# KiCad board pcb.kicad_pcb (continued)
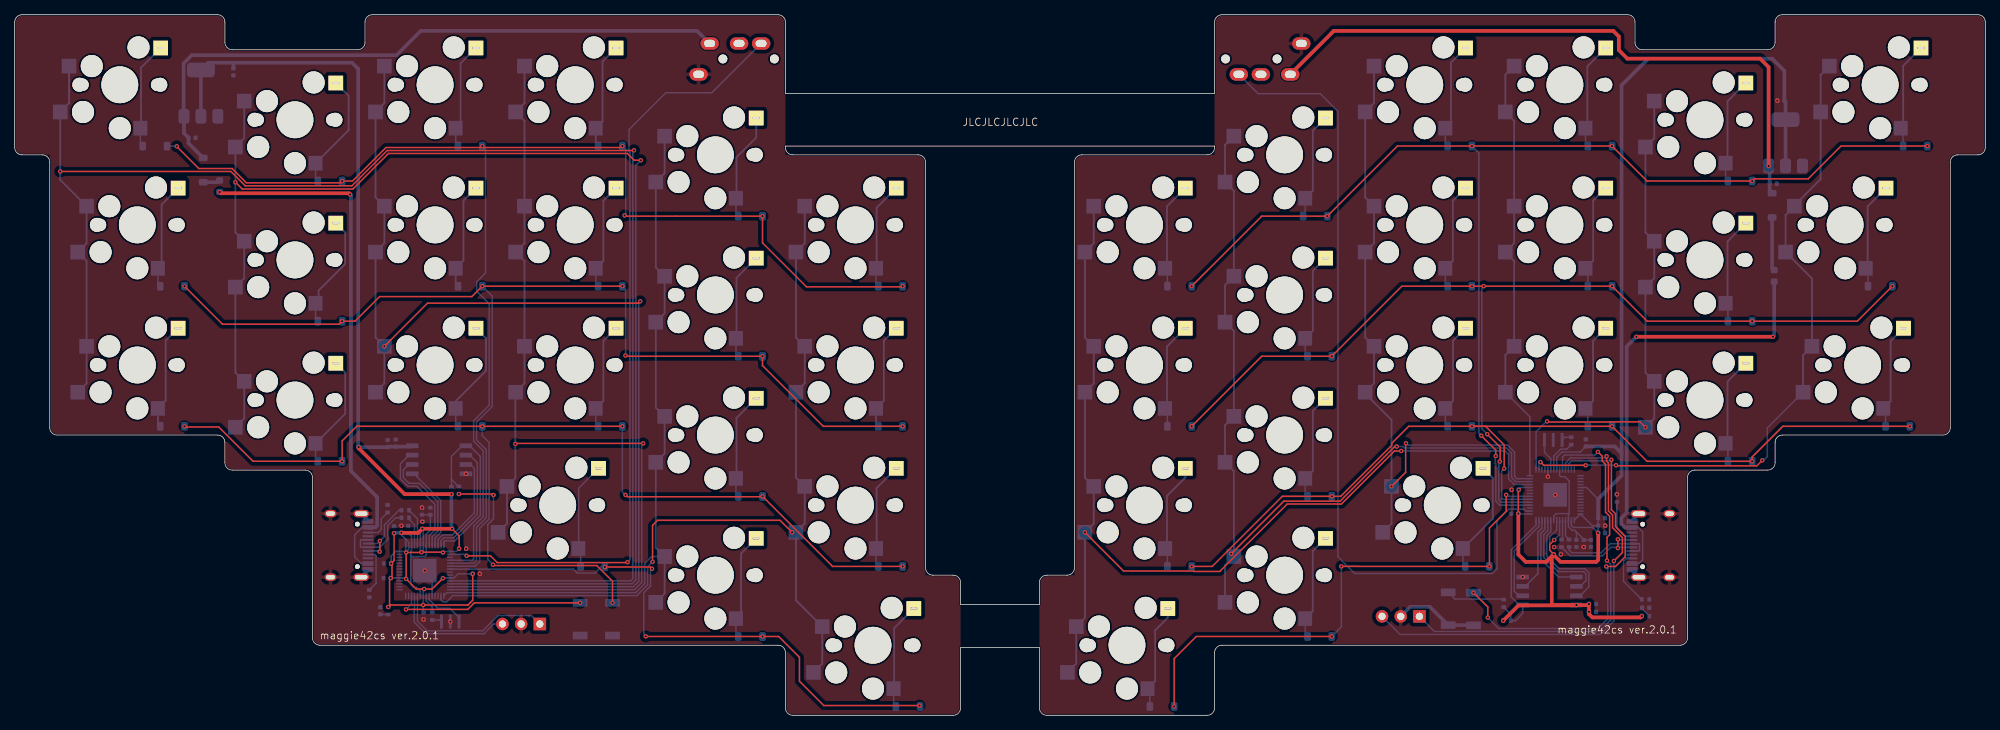
[diagram p0: board, top side]
## Nets
+1V1: C4.1 C5.1 C13.1 U3.23 U3.45 U3.50
+3V3: C2.1 C3.2 C6.1 C7.1 C8.1 C9.1 C10.1 C11.1 C12.1 C14.1 C15.2 R1.2 R4.2 U1.2 U2.8 U3.1 U3.10 U3.22 U3.33 U3.42 U3.43 U3.44 U3.48 U3.49
+5V: C1.1 J1.D SD1.1 U1.3
GND: C1.2 C2.2 C3.1 C4.2 C5.2 C6.2 C7.2 C8.2 C9.2 C10.2 C11.2 C12.2 C13.2 C14.2 C15.1 J1.A J2.A1 J2.A12 J2.B1 J2.B12 J2.S1 J3.2 R2.2 R3.2 SMDSW1.1 SMDSW2.1 STLED1.1 U1.1 U2.4 U3.19 U3.57 Y1.2
VBUS: F1.1 J2.A4 J2.A9 J2.B4 J2.B9
VBUSR: F2.1 J5.A4 J5.A9 J5.B4 J5.B9
COL0: SW1.1 SW7.1 SW13.1 U3.11
COL1: SW2.1 SW8.1 SW14.1 U3.12
COL2: SW3.1 SW9.1 SW15.1 U3.13
COL3: SW4.1 SW10.1 SW16.1 SW19.1 U3.14
COL4: SW5.1 SW11.1 SW17.1 SW20.1 U3.15
COL5: SW6.1 SW12.1 SW18.1 SW21.1 U3.16
CONN: J1.B U3.2
D+: J2.A7 J2.B7 R6.1
D-: J2.A6 J2.B6 R7.1
QSPI_SCLK: U2.6 U3.52
QSPI_SD0: U2.5 U3.53
QSPI_SD1: U2.2 U3.55
QSPI_SD2: U2.3 U3.54
QSPI_SD3: U2.7 U3.51
QSPI_SS: R4.1 R5.1 U2.1 U3.56
r+1V1: C20.1 C21.1 C29.1 U6.23 U6.45 U6.50
r+3V3: C17.1 C18.2 C19.2 C22.1 C23.1 C24.1 C25.1 C26.1 C27.1 C28.1 C30.1 R9.2 R10.2 U4.2 U5.8 U6.1 U6.10 U6.22 U6.33 U6.42 U6.43 U6.44 U6.48 U6.49
r+5V: C16.1 J4.D SD2.1 U4.3
rCOL0: SW22.1 SW28.1 SW34.1 SW40.1 U6.11
rCOL1: SW23.1 SW29.1 SW35.1 SW41.1 U6.12
rCOL2: SW24.1 SW30.1 SW36.1 SW42.1 U6.13
rCOL3: SW25.1 SW31.1 SW37.1 U6.14
rCOL4: SW26.1 SW32.1 SW38.1 U6.15
rCOL5: SW27.1 SW33.1 SW39.1 U6.16
rCONN: J4.B U6.2
rD+: J5.A7 J5.B7 R14.1
rD-: J5.A6 J5.B6 R15.1
rGND: C16.2 C17.2 C18.1 C19.1 C20.2 C21.2 C22.2 C23.2 C24.2 C25.2 C26.2 C27.2 C28.2 C29.2 C30.2 J4.A J5.A1 J5.A12 J5.B1 J5.B12 J5.S1 J6.2 R11.2 R12.2 SMDSW3.1 SMDSW4.1 STLED2.1 U4.1 U5.4 U6.19 U6.57 Y2.2
ROW0: D1.1 D2.1 D3.1 D4.1 D5.1 D6.1 U3.4
ROW1: D7.1 D8.1 D9.1 D10.1 D11.1 D12.1 U3.5
ROW2: D13.1 D14.1 D15.1 D16.1 D17.1 D18.1 U3.6
ROW3: D19.1 D20.1 D21.1 U3.7
rQSPI_SCLK: U5.6 U6.52
rQSPI_SD0: U5.5 U6.53
rQSPI_SD1: U5.2 U6.55
rQSPI_SD2: U5.3 U6.54
rQSPI_SD3: U5.7 U6.51
rQSPI_SS: R10.1 R13.1 U5.1 U6.56
rROW0: D22.1 D23.1 D24.1 D25.1 D26.1 D27.1 U6.4
rROW1: D28.1 D29.1 D30.1 D31.1 D32.1 D33.1 U6.5
rROW2: D34.1 D35.1 D36.1 D37.1 D38.1 D39.1 U6.6
rROW3: D40.1 D41.1 D42.1 U6.7
Net-(D1-A): D1.2 SW1.2
Net-(D2-A): D2.2 SW2.2
Net-(D3-A): D3.2 SW3.2
Net-(D4-A): D4.2 SW4.2
Net-(D5-A): D5.2 SW5.2
Net-(D6-A): D6.2 SW6.2
Net-(D7-A): D7.2 SW7.2
Net-(D8-A): D8.2 SW8.2
Net-(D9-A): D9.2 SW9.2
Net-(D10-A): D10.2 SW10.2
Net-(D11-A): D11.2 SW11.2
Net-(D12-A): D12.2 SW12.2
Net-(D13-A): D13.2 SW13.2
Net-(D14-A): D14.2 SW14.2
Net-(D15-A): D15.2 SW15.2
Net-(D16-A): D16.2 SW16.2
Net-(D17-A): D17.2 SW17.2
Net-(D18-A): D18.2 SW18.2
Net-(D19-A): D19.2 SW19.2
Net-(D20-A): D20.2 SW20.2
Net-(D21-A): D21.2 SW21.2
Net-(D22-A): D22.2 SW22.2
Net-(D23-A): D23.2 SW23.2
Net-(D24-A): D24.2 SW24.2
Net-(D25-A): D25.2 SW25.2
Net-(D26-A): D26.2 SW26.2
Net-(D27-A): D27.2 SW27.2
Net-(D28-A): D28.2 SW28.2
Net-(D29-A): D29.2 SW29.2
Net-(D30-A): D30.2 SW30.2
Net-(D31-A): D31.2 SW31.2
Net-(D32-A): D32.2 SW32.2
Net-(D33-A): D33.2 SW33.2
Net-(D34-A): D34.2 SW34.2
Net-(D35-A): D35.2 SW35.2
Net-(D36-A): D36.2 SW36.2
Net-(D37-A): D37.2 SW37.2
Net-(D38-A): D38.2 SW38.2
Net-(D39-A): D39.2 SW39.2
Net-(D40-A): D40.2 SW40.2
Net-(D41-A): D41.2 SW41.2
Net-(D42-A): D42.2 SW42.2
Net-(J2-CC1): J2.A5 R2.1
Net-(J2-CC2): J2.B5 R3.1
Net-(J3-Pin_1): J3.1 U3.24
Net-(J3-Pin_3): J3.3 U3.25
Net-(J5-CC1): J5.A5 R11.1
Net-(J5-CC2): J5.B5 R12.1
Net-(J6-Pin_1): J6.1 U6.24
Net-(J6-Pin_3): J6.3 U6.25
Net-(R5-Pad2): R5.2 SMDSW1.2
Net-(R8-Pad1): R8.1 Y1.3
Net-(R13-Pad2): R13.2 SMDSW3.2
Net-(R16-Pad1): R16.1 Y2.3
Net-(SD1-A): F1.2 SD1.2
Net-(SD2-A): F2.2 SD2.2
Net-(STLED1-A): R1.1 STLED1.2
Net-(STLED2-A): R9.1 STLED2.2
Net-(U3-RUN): SMDSW2.2 U3.26
Net-(U3-USB_DM): R7.2 U3.46
Net-(U3-USB_DP): R6.2 U3.47
Net-(U3-XIN): U3.20 Y1.1
Net-(U3-XOUT): R8.2 U3.21
Net-(U6-RUN): SMDSW4.2 U6.26
Net-(U6-USB_DM): R15.2 U6.46
Net-(U6-USB_DP): R14.2 U6.47
Net-(U6-XIN): U6.20 Y2.1
Net-(U6-XOUT): R16.2 U6.21

Pads without a net: J1 C; J2 A8 B8; J4 C; J5 A8 B8; U3 3 8 9 17 18 27 28 29 30 31 32 34 35 36 37 38 39 40 41; U6 3 8 9 17 18 27 28 29 30 31 32 34 35 36 37 38 39 40 41

## Via types
v1: diameter 0.6, hole 0.3, Top to Bottom, 149 vias

## Routing (per net, layer and track width the routed paths; a pad name or vN(x,y) marks a point on that pad's centre or on a via; arc(x,y) is an arc through that point)
+1V1: length 18.6
  Bottom w0.2: C13.1 53.95,24.34 U3.45 53.95,22.39 53.85,22.29 53.85,17.78 54.23,17.4 54.6,17.4 55.15,16.85 U3.23 ; 53.85,21.74 54.01,21.58 55.75,21.58 55.95,21.77 U3.50 55.95,24.6 56.51,25.15 C5.1 55.39,27.26 C4.1
+3V3: length 187.2
  Top w0.2: v1(60.41,22.64) 60.41,24.41 v1(59.46,25.36) ; v1(58.21,22.14) 58.17,22.18 v1(55.3,22.18) 55.27,22.14 v1(53.21,22.14) v1(53.21,18.54) 54.58,17.17 v1(55.66,17.17) 56.74,17.17 v1(58.21,18.64) ; v1(62.26,19.24) 62.26,15.64 61.62,15 v1(55.54,15) 51.06,15 v1(50.79,14.72) 50.96,14.9 50.96,18.5 v1(51.12,18.66) 51.29,18.83 51.29,20.52 v1(51.17,20.64) 51.57,21.04 v1(51.57,24.75)
  Top w0.5: v1(46.76,36.46) 46.76,36.31 53.01,30.06 v1(59.37,30.06) ; v1(52.57,24.81) 54.86,24.81 v1(55.41,25.36) v1(59.46,25.36)
  Bottom w0.2: v1(58.21,22.14) 58.35,22.28 U3.1 60.05,22.28 v1(60.41,22.64) ; U3.44 53.55,22.56 53.21,22.22 v1(53.21,22.14) ; 62.26,19.23 60.28,19.23 59.72,18.68 U3.10 58.25,18.68 v1(58.21,18.64) ; v1(51.17,20.64) 51.17,21.67 51.78,22.28 U3.42 53.07,22.28 v1(53.21,22.14) ; v1(52.57,24.81) 52.57,24.53 53.05,24.04 ; 51.63,24.81 v1(51.57,24.75) ; 53.05,24.04 53.55,23.54 53.55,23.34 ; 53.05,24.04 53.15,23.94 U3.43 53.15,22.2 v1(53.21,22.14) ; v1(55.66,17.17) 55.55,17.06 U3.22 55.55,15.01 v1(55.54,15) 55.54,14.04 C9.1 ; v1(53.21,18.54) 53.07,18.68 U3.33 51.14,18.68 ; 55.55,22.42 U3.49 55.55,25.22 v1(55.41,25.36) 55.15,25.09 U3.48 55.15,22.33 v1(55.3,22.18) 55.55,22.42
  Bottom w0.5: v1(59.46,25.36) 59.37,25.45 v1(59.37,30.06) ; 29.7,88.71 45.87,88.71 46.69,87.89 46.69,36.53 v1(46.76,36.46) 46.77,36.45 C3.2 50.77,36.53 C15.2 53.92,36.53 U2.8 ; 29.7,88.71 29.73,88.68 C2.1 ; 29.7,88.71 26.29,88.71 U1.2 U1.2 ; v1(52.57,24.81) 51.63,24.81
+5V: length 88
  Bottom w0.5: J1.D 92.78,93.04 55.19,93.04 51.9,89.75 24.07,89.75 22.96,88.64 22.96,81.49 U1.3 23.01,79.14 C1.1 23.62,77.78 SD1.1
GND: length 6.7
  Bottom w0.2: U3.19 56.75,18.68 v1(55.75,19.68)
  Bottom w0.5: J2.A1 48.03,19.7 J2.S1 ; J2.A12 48.03,26.51 J2.S1
  vias: v1(52.57,25.77) v1(55.38,28.23) v1(55.41,26.32) v1(55.59,13.03) v1(59.21,12.74) v1(61.34,32.83) v1(61.37,22.64) v1(63.22,19.24)
VBUS: length 73.1
  Top w0.5: v1(27.86,71.14) 28.02,70.98 45.43,70.98 v1(45.6,70.81)
  Bottom w0.2: J2.A4 47.1,20.65 46.21,21.54 46.21,24.51 47.25,25.55 J2.A9
  Bottom w0.5: J2.A9 49.03,25.55 49.26,25.79 49.26,29.66 45.71,33.21 45.71,70.7 v1(45.6,70.81)
VBUSR: length 61.2
  Top w0.5: v1(239.02,51.46) v1(220.46,51.46)
  Bottom w0.2: J5.A9 220.79,20.64 221.31,21.16 221.31,24.94 220.71,25.54 J5.A4
  Bottom w0.5: J5.A4 218.91,25.54 218.41,26.04 218.41,26.81 219.14,27.54 219.14,50.14 v1(220.46,51.46) ; v1(239.02,51.46) 239.19,51.63 F2.1
COL0: length 211.9
  Top w0.2: v1(84.19,76.82) 84.16,76.79 50.64,76.79 45.84,71.99 31.34,71.99 29.39,73.94 v1(6.19,73.94)
  Bottom w0.2: U3.11 83.75,18.28 84.04,18.56 84.04,76.66 v1(84.19,76.82)
  Bottom w0.25: SW13.1 9.77,45.12 SW13.1 9.77,61.77 SW7.1 9.77,64.17 SW7.1 6.19,72.8 v1(6.19,73.94) SW1.1 7.39,83.22 7.39,88.26
COL1: length 187.5
  Top w0.2: v1(85.11,75.46) 84.21,75.46 83.29,76.39 50.8,76.39 45.96,71.55 30.93,71.55 v1(30,72.48)
  Bottom w0.2: U3.12 83.92,17.88 84.44,18.4 84.44,74.79 v1(85.11,75.46)
  Bottom w0.25: SW14.1 31.2,40.36 31.2,45.4 30,46.6 SW8.1 31.2,59.41 SW8.1 30,65.65 30,72.48 v1(30,72.48) 30,72.48 SW2.1 31.2,78.46 SW2.1
COL2: length 148.3
  Top w0.2: v1(50.25,50.16) 56.12,56.04 84.79,56.04 v1(85.04,56.29)
  Bottom w0.2: v1(85.04,56.29) 84.84,56.09 84.84,18.23 84.08,17.48 U3.13
  Bottom w0.25: SW3.1 50.25,83.22 SW3.1 49.05,70.41 SW9.1 50.25,64.17 SW9.1 49.05,51.36 v1(50.25,50.16) 50.25,45.12 SW15.1
COL3: length 129.8
  Top w0.2: v1(68.06,36.9) 68.13,36.96 v1(85.44,36.96)
  Bottom w0.2: U3.14 84.25,17.08 85.24,18.07 85.24,36.76 v1(85.44,36.96) ; 68.17,43.92 SW16.1
  Bottom w0.25: SW4.1 69.3,83.22 SW4.1 69.3,80.82 SW10.1 69.3,64.17 SW10.1 69.3,61.77 SW16.1 69.3,45.12 SW16.1 68.06,43.89 68.06,32.26 SW19.1 66.92,26.07 SW19.1
COL4: length 100.7
  Bottom w0.2: SW20.1 86.59,21.59 85.64,20.64 85.64,17.9 84.41,16.68 58.79,16.68 U3.15
  Bottom w0.25: SW5.1 88.35,73.7 SW5.1 87.15,60.89 SW11.1 88.35,54.65 SW11.1 87.15,41.84 SW17.1 88.35,35.6 SW17.1 87.15,22.79 SW20.1 88.35,16.55 SW20.1
COL5: length 126.4
  Top w0.2: v1(105.68,24.88) 104.05,26.51 87.39,26.51 86.71,25.83 v1(86.71,20.86)
  Bottom w0.2: v1(105.68,24.88) SW18.1 ; v1(86.71,20.86) 86.04,20.19 86.04,17.73 84.58,16.28 59.56,16.28 58.71,15.43 58.23,15.43 57.95,15.7 U3.16
  Bottom w0.25: SW6.1 107.4,64.17 SW6.1 106.2,51.36 SW12.1 107.4,45.12 SW12.1 106.2,32.31 SW18.1 107.4,26.07 SW18.1 106.2,15.65 SW21.1 109.78,7.02 SW21.1
CONN: length 106.4
  Top w0.2: v1(61.44,21.68) 64.68,21.68 65.6,20.76 83.26,20.76 v1(83.31,20.82)
  Bottom w0.2: U3.2 61.24,21.88 v1(61.44,21.68) ; v1(83.31,20.82) 83.64,21.14 83.64,76.52 83.51,76.65 83.51,79.63 88.52,84.64 94.78,84.64 J1.B
D+: length 10.5
  Top w0.2: v1(49.64,23.71) 49.64,22.28 v1(49.61,22.25)
  Bottom w0.2: R6.1 52.23,27.88 50.26,25.9 50.26,24.33 v1(49.64,23.71) 49.28,23.35 J2.A7 ; J2.B7 49.51,22.35 v1(49.61,22.25)
D-: length 10.3
  Bottom w0.2: J2.B6 47.05,23.85 47,23.8 47,22.9 47.05,22.85 J2.A6 49.63,22.85 50.71,23.93 50.71,25.79 51.78,26.86 R7.1
QSPI_SCLK: length 14.8
  Bottom w0.2: U2.6 53.57,34.1 52.83,33.37 52.83,32.32 53.61,31.54 55.01,31.54 57.52,29.03 57.52,25.03 56.75,24.26 U3.52
QSPI_SD0: length 11.8
  Bottom w0.2: U3.53 57.15,24.1 57.92,24.87 57.92,29.2 54.28,32.83 U2.5
QSPI_SD1: length 16
  Bottom w0.2: U2.2 61.84,35.37 62.89,34.33 62.89,27.35 59.66,24.12 58.33,24.12 57.95,23.74 U3.55
QSPI_SD2: length 14.7
  Bottom w0.2: U2.3 61.96,34.1 62.49,33.58 62.49,27.51 59.49,24.52 58.16,24.52 57.55,23.91 U3.54
QSPI_SD3: length 16.2
  Bottom w0.2: U2.7 53.6,35.37 52.43,34.2 52.43,32.15 53.45,31.14 54.66,31.14 57.12,28.68 57.12,25.2 56.35,24.43 U3.51
QSPI_SS: length 26.1
  Bottom w0.2: R5.1 60.33,31.11 59.37,32.06 ; 59.37,32.06 R4.1 ; 59.37,32.06 59.37,35.2 60.81,36.64 U2.1 ; U2.1 61.84,36.64 63.29,35.2 63.29,27.18 59.82,23.72 58.49,23.72 58.35,23.57 U3.56 ; U2.1 61.86,36.64
r+1V1: length 16.5
  Bottom w0.2: 212.29,24.94 212.3,24.92 C29.1 ; U6.50 209.22,27.07 209.58,27.42 211.33,27.42 211.33,31.86 210.74,32.45 210.17,32.45 210.02,32.6 U6.23 ; C20.1 C21.1 213.3,23.92 212.08,25.14 211.72,25.14 211.22,25.64 U6.45 211.22,27.42 211.33,27.53
r+3V3: length 193.5
  Top w0.2: v1(209.23,21.88) 208.68,22.43 208.68,23.23 v1(209.28,23.83) ; v1(204.41,27.42) 204.41,30.61 v1(204.46,30.66)
  Top w0.5: v1(209.23,21.88) 208.21,20.86 205.41,20.86 204.41,21.86 v1(204.41,27.42) ; v1(209.23,21.88) 208.96,21.61 208.96,14.99 v1(212.3,14.99) ; v1(209.23,21.88) 209.23,21.78 210.15,20.86 215,20.86 215.27,21.14 215.27,24.77 v1(215.25,24.79) ; v1(221.2,13.49) 221.02,13.31 214.47,13.31 214.01,13.76 v1(214.01,14.07) v1(214.01,15.13) 213.87,14.99 v1(212.3,14.99) ; v1(212.3,14.99) 212.26,14.95 204.44,14.95 v1(202.36,12.87)
  Bottom w0.2: U6.49 209.62,25.19 208.67,24.24 208.67,22.44 v1(209.23,21.88) ; C22.1 214.45,25.78 U6.42 U6.43 ; C22.1 215.25,25.77 v1(215.25,24.79) 214.51,25.54 211.89,25.54 211.62,25.8 U6.44 ; C22.1 215.26,26.81 C24.1 ; U6.1 204.47,27.37 v1(204.41,27.42) ; v1(209.28,23.83) 210.02,24.57 U6.48 ; U6.10 204.78,30.97 v1(204.46,30.66) ; 215.25,29.4 213.68,30.97 U6.33 ; U6.22 209.62,35.08 210.33,35.79 212.81,35.79 C25.1
  Bottom w0.5: C25.1 217.5,36.56 218.44,35.62 ; 218.44,35.62 218.44,85.66 222.05,89.27 238.92,89.27 240.58,87.61 C17.1 240.74,83.41 U4.2 U4.2 ; 218.44,35.62 218.44,32.59 215.25,29.4 C24.1
r+5V: length 88.6
  Top w0.5: J4.D 179.31,93.04 217.33,93.04 218.07,92.3 218.07,90.44 219.24,89.27 237.28,89.27 238.44,88.12 v1(238.44,74.69)
  Bottom w0.5: 238.91,74.21 v1(238.44,74.69) 238.58,74.54 C16.1 238.58,71.32 SD2.1
rCOL0: length 140.2
  Top w0.2: v1(188.49,35.94) 187.57,35.94 180.35,28.72 172.98,28.72 163.82,19.56 160.29,19.56 160.23,19.62 150.75,19.62 v1(145.49,24.88)
  Bottom w0.2: U6.11 203.88,31.37 203.08,32.17 203.08,35.47 202.62,35.94 v1(188.49,35.94)
  Bottom w0.25: SW22.1 146.69,64.17 SW22.1 145.49,51.36 SW28.1 146.69,45.12 SW28.1 145.49,32.31 SW34.1 146.69,26.07 v1(145.49,24.88) 145.49,13.25 SW40.1 144.31,7.02 SW40.1
rCOL1: length 117.4
  Top w0.2: v1(187.87,36.54) 187.6,36.54 180.18,29.12 172.53,29.12 v1(165.37,21.96)
  Bottom w0.2: v1(187.87,36.54) 188.74,36.54 188.94,36.34 202.78,36.34 203.5,35.62 203.5,32.32 204.04,31.77 U6.12
  Bottom w0.25: SW41.1 164.54,20.39 SW41.1 165.74,33.2 SW35.1 164.54,39.44 SW35.1 165.74,52.25 SW29.1 164.54,58.49 SW29.1 165.74,71.3 SW23.1 164.54,77.54 SW23.1
rCOL2: length 95.1
  Top w0.2: v1(189.14,36.99) 189.09,36.94 189.09,33.04 v1(187.17,31.11)
  Bottom w0.2: v1(189.14,36.99) 189.39,36.74 202.95,36.74 203.9,35.79 203.9,32.48 204.21,32.17 U6.13
  Bottom w0.25: 183.59,43.74 187.17,40.16 v1(187.17,31.11) 187.17,26.07 SW42.1 ; SW24.1 184.79,83.22 SW24.1 183.59,70.41 SW30.1 184.79,64.17 SW30.1 183.59,51.36 SW36.1 184.79,45.12 SW36.1
rCOL3: length 59.6
  Bottom w0.2: U6.14 205.99,40.58 SW37.1
  Bottom w0.25: SW25.1 202.64,87.06 SW25.1 203.84,80.82 SW31.1 203.84,64.17 SW31.1 203.84,61.77 SW37.1 202.64,48.96 SW37.1
rCOL4: length 67.8
  Top w0.2: v1(221.69,39.16) 220.96,39.89 216.9,39.89 216.89,39.88 208.41,39.88 v1(208.32,39.96)
  Bottom w0.2: v1(208.32,39.96) 208.22,39.96 206.82,38.56 U6.15
  Bottom w0.25: v1(221.69,39.16) 222.89,40.36 222.89,45.4 221.69,46.6 SW32.1 222.89,59.41 SW32.1 221.69,65.65 SW26.1 222.89,78.46 SW26.1
rCOL5: length 92.3
  Top w0.2: v1(207.42,34.43) 207.86,33.99 v1(213.56,33.99) ; v1(217.69,34) 217.77,33.92 236.83,33.92 v1(237.57,34.66)
  Bottom w0.2: v1(207.42,34.43) 207.22,34.23 U6.16 ; v1(217.69,34) 217.67,34.02 213.59,34.02 v1(213.56,33.99) ; SW39.1 238.26,39.07 238.26,35.17 237.75,34.66 v1(237.57,34.66)
  Bottom w0.25: SW39.1 243.12,48.96 SW39.1 244.32,59.39 SW33.1 240.74,68.01 SW33.1 241.94,69.34 245.5,72.9 SW27.1 245.5,87.06 SW27.1
rCONN: length 110.7
  Bottom w0.2: U6.2 205.45,27.77 205.19,28.03 203.13,28.03 201.5,26.41 201.5,19.91 200.87,19.28 182.17,19.28 179.89,21.56 179.89,82.1 177.48,84.51 169.04,84.51 J4.B
rD+: length 14.1
  Top w0.2: v1(217.95,22.74) 217.95,23.93 v1(217.94,23.94)
  Bottom w0.2: 220.06,22.84 220.06,22.83 216.97,22.83 215.83,21.69 211.46,21.69 R14.1 ; v1(217.94,23.94) 218.04,23.84 220.06,23.84
rD-: length 12.8
  Bottom w0.2: J5.B6 220.81,22.34 220.89,22.42 220.89,23.29 220.84,23.34 J5.A6 ; 220.06,23.34 216.91,23.34 215.66,22.09 211.68,22.09 211.31,22.46 R15.1
rGND: length 15.4
  Bottom w0.2: U6.19 v1(208.42,32.44)
  Bottom w0.5: J6.2 189.72,14.75 192.39,14.75 SMDSW3.1 198.27,12.27 SMDSW4.1 ; J5.S1 219.87,26.49 J5.A1 ; J5.S1 219.87,19.68 J5.A12
  vias: v1(203.5,30.66) v1(205,18.8) v1(209.28,22.87) v1(209.42,29.97) v1(210.19,21.88) v1(213.3,22.88) v1(216.22,25.78) v1(217.81,30.04) v1(239.62,83.57)
ROW0: length 182.7
  Top w0.2: v1(82.91,67.96) 83.01,67.86 89.83,67.86 89.83,67.87 v1(101.66,67.87) 101.66,64.23 107.63,58.26 120.63,58.26 v1(120.71,58.34) ; v1(82.61,77.39) 82.41,77.19 63.77,77.19 v1(63.56,77.39) 63.36,77.19 50.47,77.19 45.91,72.63 v1(44.51,72.63) 44.27,72.39 31.5,72.39 29.55,74.34 25.02,74.34 22.03,77.33 v1(22.03,77.36)
  Bottom w0.2: v1(82.91,67.96) 83.06,68.11 83.06,76.94 v1(82.61,77.39) ; v1(22.03,77.36) 22,77.39 D1.1 ; v1(63.56,77.39) 64,76.95 64,60.13 62.81,58.94 62.81,57.67 64.51,55.97 64.51,42.15 62.39,40.03 62.39,37.27 63.69,35.97 63.69,27.02 62.39,25.72 62.39,21.21 62.25,21.08 U3.4
ROW1: length 159.4
  Top w0.2: v1(82.61,58.34) v1(63.56,58.34) 62.15,56.93 49.61,56.93 46.26,53.58 v1(44.51,53.58) 44.11,53.18 28.24,53.18 23.08,58.34 v1(23.08,58.34) ; v1(83.04,48.91) 83.13,48.82 v1(101.66,48.82) 101.66,47.54 109.91,39.29 v1(120.71,39.29)
  Bottom w0.2: v1(63.56,58.34) 64.91,57 64.91,41.98 62.79,39.86 62.79,37.43 64.09,36.13 64.09,26.85 62.79,25.55 62.79,21.04 62.42,20.68 U3.5 ; v1(83.04,48.91) 83.05,48.92 83.05,57.9 v1(82.61,58.34)
ROW2: length 139.9
  Top w0.2: v1(83.04,29.96) 83.28,29.72 101.61,29.72 v1(101.66,29.77) 111.19,20.24 v1(120.71,20.24) ; v1(23.08,39.29) 23.18,39.19 27.75,39.19 32.4,34.54 44.5,34.54 v1(44.51,34.53) 44.51,37.31 46.5,39.29 v1(63.56,39.29) v1(82.61,39.29)
  Bottom w0.2: v1(63.56,39.29) 63.56,38.02 64.49,37.09 64.49,26.68 63.21,25.41 63.21,20.9 62.58,20.28 U3.6 ; v1(82.61,39.29) 82.61,30.39 v1(83.04,29.96)
ROW3: length 81
  Top w0.2: v1(86.64,19.92) 86.39,20.16 v1(80.23,20.16) ; v1(85.79,10.73) 85.8,10.72 v1(101.66,10.72) 103.85,10.72 106.68,7.88 106.68,4.64 109.99,1.33 v1(123,1.33)
  Bottom w0.2: v1(86.64,19.92) 86.44,19.72 86.44,17.57 85.52,16.65 85.52,11 v1(85.79,10.73) ; v1(80.23,20.16) D19.1 79.78,20.24 78.88,19.34 76.48,19.34 75.95,19.88 U3.7
rQSPI_SCLK: length 14.5
  Bottom w0.2: U6.52 208.42,25.12 207.87,24.57 207.87,21.45 209.79,19.53 213.29,19.53 213.6,19.22 213.6,18.3 212.83,17.53 U5.6
rQSPI_SD0: length 11.4
  Bottom w0.2: U5.5 209.9,18.8 207.47,21.22 207.47,24.74 208.02,25.29 U6.53
rQSPI_SD1: length 12.5
  Bottom w0.2: U5.2 204.48,16.26 203.85,16.88 203.85,22.34 207.22,25.71 U6.55
rQSPI_SD2: length 10.3
  Bottom w0.2: U6.54 207.62,25.46 207.07,24.91 207.07,19.26 205.34,17.53 U5.3
rQSPI_SD3: length 15.9
  Bottom w0.2: U5.7 212.81,16.26 214,17.45 214,19.38 213.45,19.93 209.96,19.93 208.27,21.62 208.27,24.41 208.82,24.96 U6.51
rQSPI_SS: length 19.3
  Bottom w0.2: R13.1 203.38,13.75 R10.1 203.96,12.87 203.99,12.84 205,13.85 U5.1 204.54,14.99 203.45,16.07 203.45,22.5 206.82,25.87 U6.56
rROW0: length 166.4
  Top w0.2: v1(201.34,35.26) 201.34,36.05 v1(199.37,38.02) ; v1(160,58.34) 169.53,67.87 v1(178.45,67.87) 187.97,77.39 v1(198.1,77.39) v1(217.15,77.39) 221.92,72.63 v1(236.2,72.63) 236.51,72.94 243.82,72.94 248.28,77.39 v1(260.02,77.39)
  Bottom w0.2: v1(201.34,35.26) 201.28,35.2 201.28,34.25 201.36,34.17 201.36,29.11 201.9,28.57 U6.4 ; v1(199.37,38.02) 199.05,38.34 199.05,76.44 v1(198.1,77.39)
rROW1: length 141.7
  Top w0.2: v1(200.18,38.22) 201.94,36.46 201.94,34.56 v1(201.88,34.5) ; v1(160,39.29) 169.53,48.82 v1(179.05,48.82) 188.58,58.34 v1(198.1,58.34) v1(199.71,58.34) v1(217.15,58.34) 221.92,53.58 v1(236.2,53.58) 250.49,53.58 v1(255.25,58.34)
  Bottom w0.2: v1(201.88,34.5) 201.76,34.37 201.76,29.28 202.07,28.97 U6.5 ; v1(200.18,38.22) 199.45,38.95 199.45,58.08 v1(199.71,58.34)
rROW2: length 126.7
  Top w0.2: v1(198.1,39.29) 189.51,39.29 187.2,36.98 187.2,36.7 180.27,29.77 v1(179.05,29.77) 172.32,29.77 162.8,20.24 v1(160,20.24) ; v1(198.1,39.29) 199.96,39.29 202.48,36.77 v1(202.48,33.55) ; v1(198.1,39.29) v1(217.15,39.29) 221.92,34.53 v1(236.2,34.53) 236.2,35.13 240.37,39.29 v1(257.63,39.29)
  Bottom w0.2: U6.6 202.23,29.37 202.16,29.44 202.16,33.22 v1(202.48,33.55)
rROW3: length 73.4
  Top w0.2: v1(179.05,10.72) 160.63,10.72 157.62,7.71 v1(157.62,1.19) ; v1(202.76,29.97) 202.76,27.73 200.48,25.46 v1(200.48,20.24) 182.64,20.24 182.63,20.25 v1(180.35,20.25)
  Bottom w0.2: U6.7 202.96,29.77 v1(202.76,29.97) ; v1(180.35,20.25) 180.35,12.02 v1(179.05,10.72)
Net-(D1-A): length 14.1
  Bottom w0.2: SW1.2 17.09,77.7
  Bottom w0.25: 17.16,79.9 17.16,88.05 SW1.2
Net-(D2-A): length 15.4
  Bottom w0.2: SW2.2 40.9,72.94
  Bottom w0.25: SW2.2 45.39,84.22 45.39,79.55 41.05,75.22
Net-(D3-A): length 13.2
  Bottom w0.2: SW3.2 59.95,77.7
  Bottom w0.25: 60.61,80.49 60.61,88.64 SW3.2
Net-(D4-A): length 14.2
  Bottom w0.25: SW4.2 79.91,88.89 79.91,80.74 SW4.2 79,77.7
Net-(D5-A): length 14.1
  Bottom w0.2: SW5.2 98.05,68.18
  Bottom w0.25: SW5.2 100.8,78.54 98.12,75.87 98.12,70.38
Net-(D6-A): length 14.1
  Bottom w0.2: SW6.2 117.1,58.65
  Bottom w0.25: SW6.2 117.18,69 117.18,60.85
Net-(D7-A): length 13.5
  Bottom w0.2: SW7.2 19.47,58.65
  Bottom w0.25: SW7.2 19.97,69.43 19.97,61.28
Net-(D8-A): length 14.6
  Bottom w0.2: SW8.2 40.9,53.89
  Bottom w0.25: 41.31,56.42 41.31,57.75 44.92,61.36 44.92,65.64 SW8.2
Net-(D9-A): length 14.2
  Bottom w0.25: SW9.2 61.01,69.98 61.01,61.83 SW9.2 59.95,58.65
Net-(D10-A): length 13.6
  Bottom w0.2: SW10.2 79,58.65
  Bottom w0.25: SW10.2 80.03,69.96 80.03,61.81 79.41,61.18
Net-(D11-A): length 14.1
  Bottom w0.2: SW11.2 98.05,49.13
  Bottom w0.25: SW11.2 98.12,59.47 98.12,51.32
Net-(D12-A): length 14.2
  Bottom w0.25: 117.1,39.6 SW12.2 118.16,42.78 118.16,50.93 SW12.2
Net-(D13-A): length 14.2
  Bottom w0.25: 19.47,39.6 SW13.2 20.52,42.78 20.52,50.93 SW13.2
Net-(D14-A): length 15.1
  Bottom w0.2: SW14.2 40.9,34.84
  Bottom w0.25: SW14.2 44.92,46.59 44.92,40.99 40.98,37.04
Net-(D15-A): length 15.2
  Bottom w0.2: SW15.2 59.95,39.6
  Bottom w0.25: 60.02,41.8 60.02,42.79 64.08,46.85 64.08,51.24 SW15.2
Net-(D16-A): length 13.9
  Bottom w0.2: SW16.2 79,39.6
  Bottom w0.25: 79.15,41.88 80.03,42.76 80.03,50.91 SW16.2
Net-(D17-A): length 14.1
  Bottom w0.2: SW17.2 98.05,30.08
  Bottom w0.25: 98.12,32.27 98.12,40.42 SW17.2
Net-(D18-A): length 14.1
  Bottom w0.2: SW18.2 117.1,20.55
  Bottom w0.25: SW18.2 117.18,30.9 117.18,22.75
Net-(D19-A): length 14.6
  Bottom w0.2: SW19.2 76.67,30.88 76.67,22.72 SW19.2 76.93,22.36 D19.2
Net-(D20-A): length 13.2
  Bottom w0.2: SW20.2 98.05,11.03
  Bottom w0.25: SW20.2 98.75,22 98.75,13.85
Net-(D21-A): length 14.1
  Bottom w0.2: SW21.2 119.48,1.5
  Bottom w0.25: 119.56,3.7 119.56,11.85 SW21.2
Net-(D22-A): length 14.2
  Bottom w0.2: D22.2 156.7,60.46 SW22.2
  Bottom w0.25: SW22.2 156.65,69.19 156.65,61.04
Net-(D23-A): length 13.5
  Bottom w0.2: D23.2 175.44,68.16 SW23.2
  Bottom w0.25: 176.21,71.07 176.47,71.33 176.47,79.48 SW23.2
Net-(D24-A): length 13.5
  Bottom w0.2: D24.2 194.49,77.7 SW24.2
  Bottom w0.25: 195.26,80.6 195.26,88.75 SW24.2
Net-(D25-A): length 14.2
  Bottom w0.2: D25.2 213.54,77.7 SW25.2
  Bottom w0.25: SW25.2 213.8,88.24 213.8,80.09
Net-(D26-A): length 14.2
  Bottom w0.2: SW26.2 232.59,72.94 D26.2
  Bottom w0.25: SW26.2 232.85,83.48 232.85,75.33
Net-(D27-A): length 14.1
  Bottom w0.2: SW27.2 256.72,79.51 D27.2
  Bottom w0.25: SW27.2 256.73,88.3 256.73,80.15
Net-(D28-A): length 14.2
  Bottom w0.2: SW28.2 156.7,41.41 D28.2
  Bottom w0.25: 156.65,41.99 156.65,50.14 SW28.2
Net-(D29-A): length 13.5
  Bottom w0.2: D29.2 175.44,49.13 SW29.2
  Bottom w0.25: 176.21,52.02 176.47,52.28 176.47,60.43 SW29.2
Net-(D30-A): length 13.5
  Bottom w0.2: D30.2 194.49,58.65 SW30.2
  Bottom w0.25: 195.26,61.55 195.51,61.8 195.51,69.95 SW30.2
Net-(D31-A): length 14.2
  Bottom w0.2: SW31.2 213.85,60.46 D31.2
  Bottom w0.25: SW31.2 214.58,69.97 214.58,61.82 213.8,61.04
Net-(D32-A): length 14.2
  Bottom w0.2: D32.2 232.9,55.7 SW32.2
  Bottom w0.25: SW32.2 232.85,64.43 232.85,56.28
Net-(D33-A): length 14.2
  Bottom w0.2: D33.2 251.95,60.46 SW33.2
  Bottom w0.25: 251.9,61.04 251.9,69.19 SW33.2
Net-(D34-A): length 14.2
  Bottom w0.2: D34.2 156.7,22.36 SW34.2
  Bottom w0.25: SW34.2 159.14,32.32 156.65,29.84 156.65,22.94
Net-(D35-A): length 13.5
  Bottom w0.2: SW35.2 175.44,30.08 D35.2
  Bottom w0.25: SW35.2 176.47,41.38 176.47,33.23 176.21,32.97
Net-(D36-A): length 14.2
  Bottom w0.2: SW36.2 194.49,39.6 D36.2
  Bottom w0.25: 194.75,41.99 195.52,42.76 195.52,50.91 SW36.2
Net-(D37-A): length 14.2
  Bottom w0.2: SW37.2 213.85,41.41 D37.2
  Bottom w0.25: SW37.2 214.57,50.91 214.57,42.76 213.8,41.99
Net-(D38-A): length 14.2
  Bottom w0.2: D38.2 232.9,36.65 SW38.2
  Bottom w0.25: 232.85,37.23 232.85,45.38 SW38.2
Net-(D39-A): length 14.4
  Bottom w0.2: D39.2 254.33,41.41 SW39.2
  Bottom w0.25: 254.19,41.89 255.02,42.73 255.02,50.88 SW39.2
Net-(D40-A): length 14
  Bottom w0.2: SW40.2 154.32,3.31 D40.2
  Bottom w0.25: 154.45,4.06 155.03,4.65 155.03,11.55 156.76,13.27 SW40.2
Net-(D41-A): length 14.2
  Bottom w0.2: D41.2 175.44,11.03 SW41.2
  Bottom w0.25: SW41.2 176.46,22.32 176.46,14.17 175.7,13.41
Net-(D42-A): length 15.6
  Bottom w0.2: SW42.2 196.87,20.55 D42.2
  Bottom w0.25: 196.95,22.75 200.93,26.74 200.93,32.26 SW42.2
Net-(J2-CC1): length 6.2
  Bottom w0.2: R2.1 49.12,17.96 49.12,21.73 49,21.85 J2.A5
Net-(J2-CC2): length 4.6
  Bottom w0.2: J2.B5 49.43,24.85 49.81,25.24 49.81,26.7 R3.1
Net-(J3-Pin_1): length 22
  Bottom w0.2: J3.1 70.24,13.56 65.7,13.56 63.62,11.49 56.06,11.49 54.75,12.8 U3.24
Net-(J3-Pin_3): length 16.8
  Bottom w0.2: J3.3 65.11,12.41 63.79,11.09 55.9,11.09 54.3,12.68 54.3,14.46 54.35,14.51 U3.25
Net-(J5-CC1): length 6.3
  Bottom w0.2: R11.1 217.81,25.44 218.91,24.34 220.06,24.34
Net-(J5-CC2): length 7.5
  Bottom w0.2: J5.B5 219.11,21.34 218.71,20.94 218.71,18.23 R12.1
Net-(J6-Pin_1): length 58.2
  Top w0.2: v1(215.23,35.81) 215.81,35.23 215.81,34.58 216.26,34.13 216.26,27.62 216.82,27.06 216.82,24.55 216.46,24.19 v1(216.46,21.03)
  Bottom w0.2: U6.24 210.42,35.11 210.7,35.39 214.81,35.39 v1(215.23,35.81) ; v1(216.46,21.03) 216.97,20.52 216.97,12.96 215.4,11.39 193.02,11.39 J6.1
Net-(J6-Pin_3): length 63.9
  Top w0.2: v1(216.41,35.21) 216.41,34.55 216.66,34.3 216.66,27.79 217.22,27.23 217.22,25.51 218.55,24.18 218.55,22.13 v1(217.4,20.98)
  Bottom w0.2: v1(216.41,35.21) 216.19,34.99 211.51,34.99 210.82,34.3 U6.25 ; v1(217.4,20.98) 217.4,12.83 215.57,10.99 188.34,10.99 J6.3
Net-(R5-Pad2): length 35
  Top w0.2: v1(65.09,29.95) 64.95,30.09 v1(60.39,30.09) ; v1(81.27,15.29) 81.27,18.22 79.13,20.36 65.14,20.36 v1(65.02,20.48)
  Bottom w0.2: v1(65.09,29.95) 65.09,26.72 64.31,25.94 64.31,21.19 v1(65.02,20.48)
Net-(R8-Pad1): length 1.3
  Bottom w0.2: Y1.3 57.78,12.97 R8.1
Net-(R13-Pad2): length 8
  Bottom w0.2: SMDSW3.2 195.79,15.8 202.36,15.8 R13.2
Net-(R16-Pad1): length 1.4
  Bottom w0.2: R16.1 210.73,37.81 Y2.3
Net-(SD1-A): length 2.3
  Bottom w0.5: SD1.2 27.62,72.48 F1.2
Net-(SD2-A): length 7.3
  Bottom w0.5: F2.2 238.91,60.81 SD2.2
Net-(STLED1-A): length 1.1
  Bottom w0.2: R1.1 49.74,13.7 STLED1.2
Net-(STLED2-A): length 1.5
  Bottom w0.2: STLED2.2 221.24,14.47 R9.1
Net-(U3-RUN): length 26.2
  Top w0.2: v1(76.87,15.29) 62.48,15.29 61.59,14.4 v1(53.19,14.4)
  Bottom w0.2: v1(53.19,14.4) 53.95,15.16 U3.26
Net-(U3-USB_DM): length 4.1
  Bottom w0.2: R7.2 53.61,26.64 54.35,25.9 U3.46
Net-(U3-USB_DP): length 5.2
  Bottom w0.2: U3.47 54.75,26.73 R6.2
Net-(U3-XIN): length 6.2
  Bottom w0.2: Y1.1 60.41,13.29 59.16,14.54 57.51,14.54 56.35,15.7 U3.20
Net-(U3-XOUT): length 2.6
  Bottom w0.2: R8.2 56.76,14.72 55.95,15.54 U3.21
Net-(U6-RUN): length 52.8
  Top w0.2: v1(217.06,34.74) 217.06,27.95 217.62,27.39 217.62,25.67 218.95,24.34 218.95,21.57 217.62,20.23 v1(216.37,20.23) ; v1(200.26,13.29) 200.26,14.73 v1(198.32,16.67)
  Bottom w0.2: U6.26 211.22,34.14 211.67,34.59 216.91,34.59 v1(217.06,34.74) ; v1(216.37,20.23) 216.57,20.03 216.57,13.13 215.24,11.79 201.76,11.79 v1(200.26,13.29)
Net-(U6-USB_DM): length 2.8
  Bottom w0.2: R15.2 210.82,24.38 U6.46
Net-(U6-USB_DP): length 2.7
  Bottom w0.2: R14.2 210.42,24.02 U6.47
Net-(U6-XIN): length 4.4
  Bottom w0.2: Y2.1 207.96,35.75 208.82,34.89 U6.20
Net-(U6-XOUT): length 4.9
  Bottom w0.2: R16.2 211,36.19 210.16,36.19 209.22,35.25 U6.21

## Copper pours and planes (outline as drawn; the poured copper is in the pictures)
GND on Top, Bottom: 0,95.25 104.78,95.25 104.78,76.2 123.83,76.2 123.83,19.05 128.59,19.05 128.59,0 104.78,0 104.78,9.52 40.48,9.52 40.48,33.34 4.76,33.34 4.76,76.2 0,76.2
rGND on Top, Bottom: 267.89,95.25 267.89,-2.38 139.3,-2.38 139.3,19.05 144.07,19.05 144.07,76.2 163.12,76.2 163.12,95.25

## Text on the board
F.Silkscreen: maggie42cs ver.2.0.1 | JLCJLCJLCJLC
